# Allegro board ad-fmcmotcon1-ebz_layout.brd (continued)
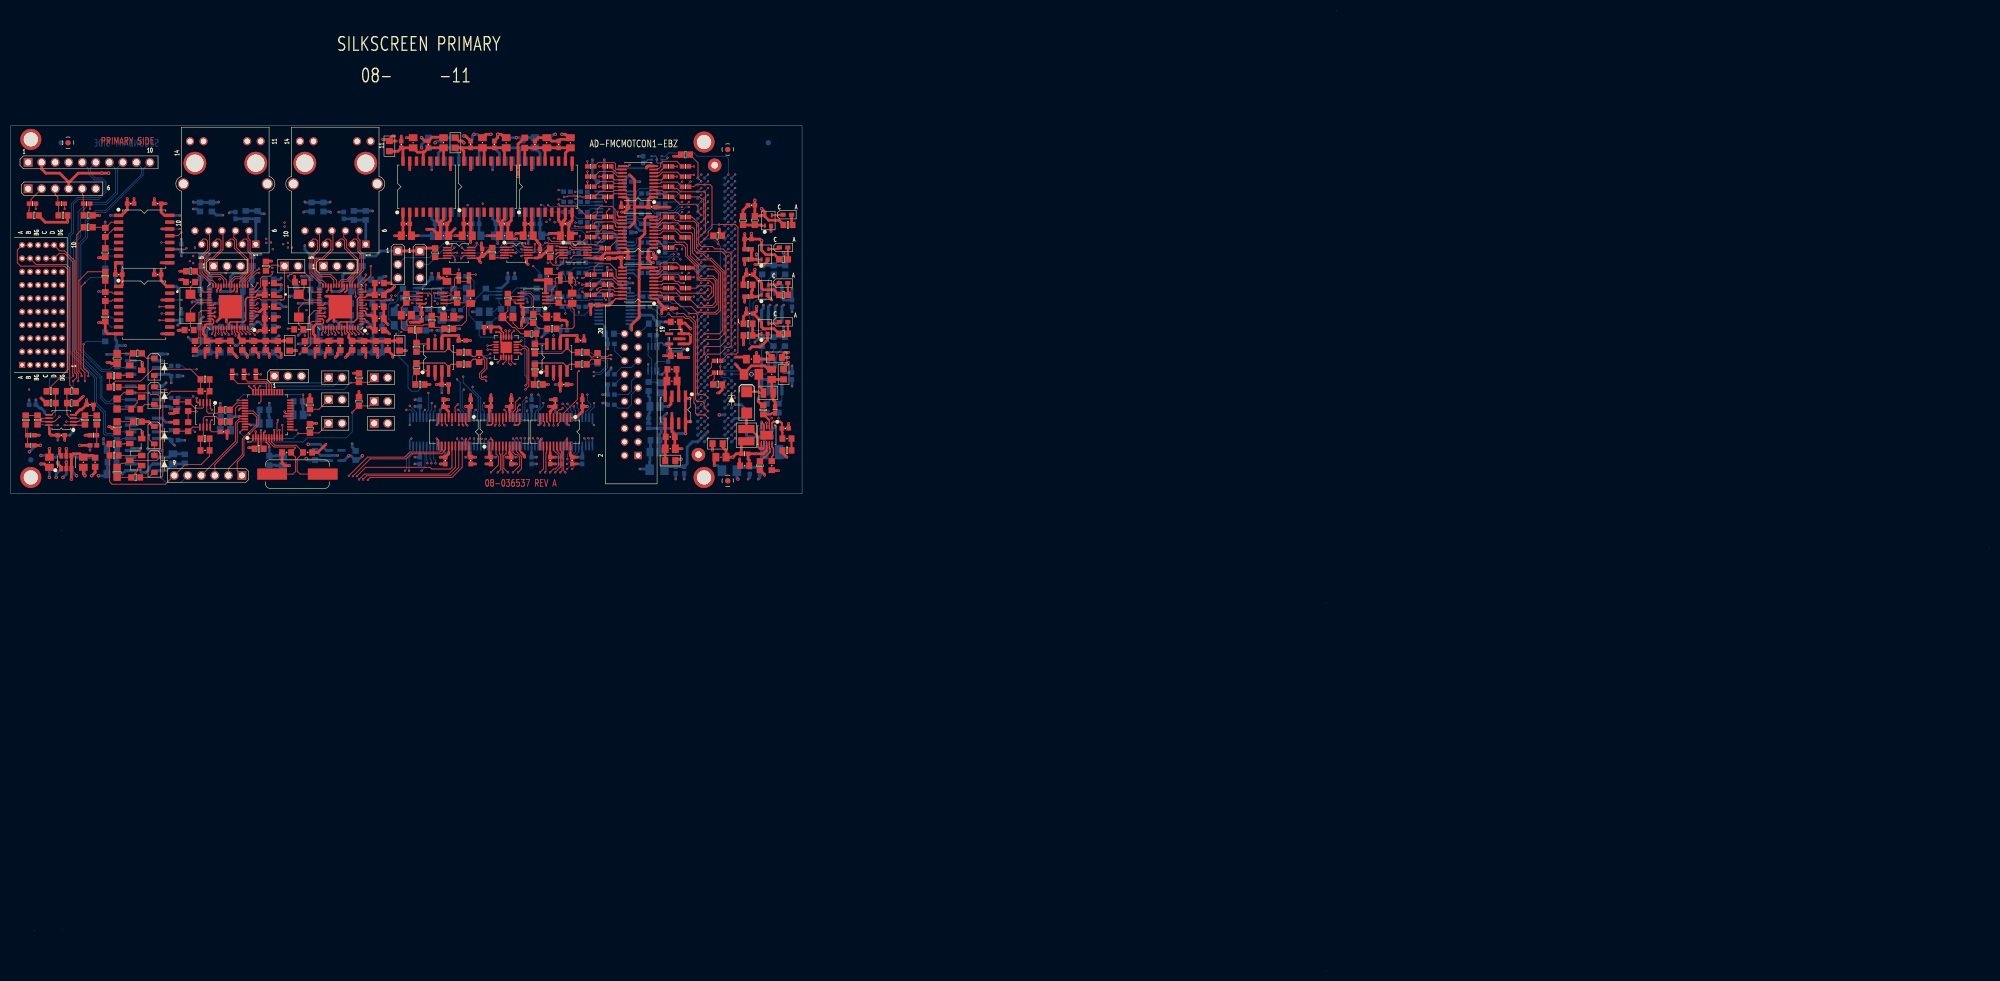
[diagram p0: board, top side]
## Routing (per net, layer and track width the routed paths; a pad name or vN(x,y) marks a point on that pad's centre or on a via; arc(x,y) is an arc through that point) (continued)
AGND_ISO: length 212.1
  TOP w0.254: U44.19 v1(104.43,99.89) ; U6.2 90.46,99.57 v1(90.14,99.89) ; U26.19 51.61,104.58 51.41,104.78 v1(51.41,104.97) ; A4.4 35.08,106.63 34.9,106.81 v1(34.9,107.51) ; U6.10 95.54,97.6 95.86,97.28 ; U5.19 85.38,99.76 v1(85.45,99.82) ; U26.5 47.48,100.98 v1(47.73,101.22) ; v1(42.84,105.31) 43.11,105.58 U26.40 ; U44.11 99.35,99.57 v1(99.67,99.89) ; U26.2 v1(45.98,101.22) ; v1(79.98,99.89) 80.3,99.57 U5.11 ; U26.9 v1(49.48,101.47)
  TOP w0.508: C238.2 v1(74.27,156.4) ; v2(90.14,157.04) 89.18,157.04 89.18,157.02 C215.2 ; U30.2 10.45,95.44 10.45,95.44 v2(10.45,95.44) ; C23.1 v1(10.13,99.57) ; U40.9 v1(82.52,150.37) ; v1(24.74,101.16) 24.74,100.04 Q4.3 ; U40.15 v1(74.9,150.37) ; U35.15 v1(97.76,150.37) ; C217.2 91.41,156.4 v2(91.41,157.04) 92.05,157.04 92.68,156.4 C219.2 ; v2(77.13,156.4) 77.76,155.77 C236.2 78.4,155.8 79.09,156.5 81.16,156.5 C235.2 ; R173.2 19.34,101.79 19.02,101.79 18.71,102.11 v1(18.39,102.11) ; U30.1 9.5,94.49 8.86,95.12 v2(8.86,95.44) ; C211.2 99.03,156.4 C214.2 100.94,156.4 101.57,155.77 C216.2 103.16,156.08 104.75,156.08 C218.2 104.75,156.4 104.11,157.04 v2(103.48,157.04) ; v2(85.06,156.72) 85.38,156.72 C212.2 ; R73.2 12.36,106.55 v1(13.63,107.82) ; v2(5.69,95.12) 6.32,95.12 6.96,94.49 C189.2 ; R164.2 30.65,104.62 v1(29.84,104.62) ; v1(52.36,94.81) 51.41,94.81 50.94,95.28 C70.2 ; C15.2 v1(80.62,95.12) ; U36.15 v1(86.33,150.37) ; v1(5.69,107.51) 6.64,106.55 R74.2 ; U9.8 18.2,119.57 17.75,120.02 R80.1 17.53,121.67 v1(16.48,121.67) ; C186.2 15.85,93.54 v2(15.21,92.9) ; U8.8 19.98,132.91 19.66,132.59 v1(19.66,131.64) C241.2 ; C116.2 v1(102.21,95.12) ; C270.2 v1(94.91,95.12) ; U35.9 v1(105.38,150.37) ; R165.2 v1(29.82,102.96) ; C18.2 v1(87.29,95.12) ; R232.1 v1(5.37,100.52) ; R231.1 v1(13.94,100.52) ; 95.86,97.28 96.37,96.77 96.37,96.52 v1(96.49,96.39) ; v1(18.07,114.17) 18.68,114.17 18.87,113.98 R169.2 ; C240.2 v1(23.15,144.97) ; C268.2 13.63,93.22 v2(13.94,92.9) ; C142.2 v1(106.34,95.12) ; C271.2 v1(89.19,95.12) ; v1(24.74,114.17) 24.74,112.86 Q2.3 ; U36.9 v1(93.95,150.37) ; R78.1 17.65,133.96 17.55,133.86 v1(16.48,133.86) ; C81.1 v1(40.61,99.89) ; v1(59.16,98.81) 57.63,97.28 C69.2 ; C234.2 v1(73.32,156.72) ; C22.2 v1(15.53,105.28)
  BOTTOM w0.254: U42.2 89.51,99.3 90.1,99.89 v1(90.14,99.89) ; U48.11 v1(109.19,99.95) ; U45.19 94.59,99.59 v1(94.3,99.89) ; v1(75.2,99.89) 74.9,99.59 74.9,98.49 ; 79.98,98.49 v1(79.98,99.89) ; U48.19 104.11,99.57 v1(104.43,99.89) ; v1(83.79,99.89) 83.79,99.8 84.43,99.16 U42.10 ; U45.11 v1(99.67,99.89)
  BOTTOM w0.508: v1(5.69,107.51) 6.64,106.55 R74.2 ; C265.2 97.13,156.4 96.49,155.77 C264.2 95.54,156.4 v2(94.91,156.4) C219.2 ; R73.2 13.21,107.51 13.31,107.51 v1(13.63,107.82) ; v1(56.17,104.33) C73.2 54.9,105.82 54.8,105.92 C71.2 ; C274.2 v1(102.21,95.12) ; U23.5 28.55,109.73 v1(29.18,110.36) ; C271.2 v1(89.19,95.12) ; R116.1 v1(17.75,140.59) ; v1(86.33,150.37) 86.65,150.69 U47.15 ; C42.2 v1(3.47,107.19) ; C262.2 81.57,156.4 C261.2 79.98,155.77 v2(79.67,155.45) ; U14.8 19.98,128.46 19.66,128.78 C241.2 v1(19.66,131.64) ; v2(5.69,96.71) 6.64,96.71 6.96,96.39 C190.2 8.48,96.39 8.73,96.64 U31.1 ; U37.3 26.64,95.12 26.01,94.49 26.01,94.17 v1(25.37,93.54) 24.54,93.54 24.42,93.65 24.42,94.72 24.02,95.12 U37.6 ; v1(5.37,100.52) R232.1 ; v1(29.84,104.62) 30.81,104.62 31.41,105.22 C66.1 ; U33.15 98.08,150.69 v1(97.76,150.37) ; v2(16.48,92.9) 17.75,92.9 C226.2 18.17,93.32 C227.2 ; C215.2 88.24,156.4 87.6,157.04 v2(86.97,157.04) 86.65,156.72 86.65,156.08 C212.2 ; C19.2 v1(98.72,95.12) ; C75.2 39.34,102.68 39.45,102.78 C76.2 39.45,105.02 39.34,105.12 v1(39.34,106.55) ; C78.2 49.78,94.91 49.89,94.81 C77.2 v1(52.36,94.81) ; U31.2 10.45,96.64 v2(10.45,95.44) ; U47.9 v1(79.03,150.37) ; C268.2 13.94,94.17 v2(13.94,92.9) ; 8.86,100.52 v1(8.86,99.57) ; v2(91.41,157.04) 91.41,156.4 C217.2 ; R114.1 17.64,127.41 17.54,127.51 v1(16.48,127.51) ; C254.2 64.74,97.66 64.11,98.3 v1(64.11,98.93) ; C67.1 v1(32.36,111.63) ; C65.1 v1(32.68,99.57) ; C15.2 v1(80.62,95.12) ; C244.2 v1(18.01,115.7) ; v1(48.55,106.55) 48.55,105.38 C72.2 48.45,104.05 48.55,103.95 C74.2 ; v1(29.82,102.96) 29.12,102.96 28.38,103.7 U22.5 ; v1(13.94,100.52) R231.1 ; U24.5 v1(29.5,115.76) ; C270.2 v1(94.91,95.12) ; C18.2 v1(87.29,95.12) ; U33.9 v1(90.46,150.37) ; v1(61.38,96.71) U46.2 58.19,96.71 57.34,97.56 C253.2 ; v1(106.34,95.12) C275.2 ; v2(15.21,92.9) 15.85,93.54 C186.2 ; U15.8 v1(18.71,141.8) ; C161.2 v1(75.86,95.12)
  vias: v1(3.47,109.09)
VBUS: length 31.7
  TOP w0.152: v1(11.72,110.68) 12.36,111.32 12.36,111.95 12.04,112.27 12.04,133.22 10.13,135.13 9.24,135.13 P2.D10 P2.C10
  BOTTOM w0.152: R108.1 11.72,109.31 v1(11.72,110.68)
VBUS_BIPOLAR: length 36.4
  TOP w0.152: v1(13.94,110.68) 13.94,112.27 13.18,113.03 13.18,128.4 v1(13.94,129.16)
  L4_SIGV w0.152: v1(10.46,103.05) 10.13,103.38 10.13,106.87 v1(13.94,110.68)
  BOTTOM w0.152: R115.1 14.94,130.15 v1(13.94,129.16) ; v1(10.46,103.05) A3.7 13.42,103.05 R112.2
VBUS_CLK: length 89.5
  TOP w0.152: R28.1 v1(108.24,148.15)
  L5_SIGH w0.152: v1(28.3,136.72) 29.06,137.48 29.06,140.34 31.15,142.43 38.07,142.43 39.54,143.89 60.3,143.89 60.93,144.53 102.21,144.53 102.4,144.33 103.92,144.33 105.26,145.67 105.26,146.56 105.77,147.07 107.16,147.07 v1(108.24,148.15)
  BOTTOM w0.152: U15.13 v1(28.3,136.72)
VBUS_DAT: length 104.4
  TOP w0.152: R30.1 v1(108.24,151.96)
  L4_SIGV w0.152: v1(85.78,143.71) 85.78,143.31 85.7,143.23 85.7,133.22 v1(84.11,131.64)
  L5_SIGH w0.152: v1(108.24,151.96) 109.07,151.13 109.07,146.47 107,144.4 104.93,144.4 103.4,142.88 98.02,142.88 97.38,143.51 86.39,143.51 86.18,143.71 v1(85.78,143.71) 61.19,143.71 60.65,143.18 39.84,143.18 38.46,141.8 33.06,141.8 32.01,140.75 32.01,139.54 v1(31.72,139.26)
  BOTTOM w0.152: R118.1 v1(84.11,131.64) ; U15.11 v1(31.72,139.26)
A0: length 21.7
  TOP w0.152: U26.37 v1(42.61,107.08) ; v1(54.9,108.14) 54.9,106.6 56.12,105.38 R151.2 57.86,105.38 P3.1
  BOTTOM w0.152: v1(42.61,107.08) 43.67,108.14 v1(54.9,108.14)
A1: length 26.2
  TOP w0.152: U26.36 45.48,109.03 45.18,109.33 45.14,109.33 v1(44.74,109.73) ; P5.1 67.39,110.46 R153.2 65.28,110.36 v1(63.79,110.36)
  BOTTOM w0.152: v1(63.79,110.36) 62.52,109.09 45.38,109.09 v1(44.74,109.73)
BEMF_A: length 49.3
  TOP w0.152: v1(102.34,135.25) 102.39,135.31 U20.2
  L4_SIGV w0.152: v1(102.34,135.25) 101.8,135.25 99.54,132.99 99.54,132.33 89.51,122.3 89.51,118.24 88.62,117.35 88.62,108.52 87.16,107.06 84.05,107.06 83.29,106.3 83.29,105.41 82.21,104.33 78.71,104.33 v1(77.76,105.28)
  BOTTOM w0.152: 77.44,103.82 77.44,104.97 v1(77.76,105.28)
BEMF_A_ISO: length 101.9
  L4_SIGV w0.152: P2.A4 3.48,119.89 16.17,119.89 20.68,115.38 20.68,98.23 23.53,95.38 52.81,95.38 53.7,94.49 68.87,94.49 70.14,93.22 76.49,93.22 v1(77.13,93.85)
  BOTTOM w0.152: v1(77.13,93.85) 77.76,94.49 77.76,97.03 77.44,97.35 77.44,98.49
BEMF_B: length 46.5
  TOP w0.152: U25.2 93.69,135.31 93.7,135.29 v1(94.23,135.29)
  L4_SIGV w0.152: v1(74.9,106.05) 75.41,106.55 78.08,106.55 79.35,107.82 82.52,107.82 85.38,110.68 85.38,123.38 90.78,128.78 90.78,134.18 92.05,135.45 93.68,135.45 93.83,135.29 v1(94.23,135.29)
  BOTTOM w0.152: v1(74.9,106.05) 76.17,104.78 U41.13
BEMF_B_ISO: length 97.1
  L4_SIGV w0.152: P2.D5 9.12,122.75 19.09,122.75 19.66,122.17 19.66,117.26 21.44,115.48 21.44,98.74 24.04,96.14 53.19,96.14 54.2,95.12 69.44,95.12 70.21,94.36 74.27,94.36 v1(74.78,93.85)
  BOTTOM w0.152: v1(74.78,93.85) 74.78,96.27 75.54,97.03 75.86,97.03 76.17,97.35 U41.8
BEMF_C: length 43.8
  TOP w0.152: v1(83.29,135.76) 82.77,135.25 U21.2
  L4_SIGV w0.152: v1(83.29,135.76) 82.65,135.13 81.57,135.13 80.94,134.49 80.94,130.05 82.84,128.14 82.84,110.05 82.21,109.41 76.49,109.41 74.27,107.19 v1(74.27,105.28)
  BOTTOM w0.152: v1(74.27,105.28) 75.12,105.28 75.54,104.86 U41.12
BEMF_C_ISO: length 96.9
  L4_SIGV w0.152: P2.B4 4.66,120.21 16.28,120.21 21.06,115.43 21.06,98.49 23.79,95.76 52.93,95.76 53.89,94.81 69.25,94.81 70.21,93.85 v1(74.02,93.85)
  BOTTOM w0.152: v1(74.02,93.85) 74.3,94.14 74.3,96.43 75.54,97.66 U41.9
CHANNEL_A_BUF: length 42.4
  TOP w0.152: v1(105.13,133.81) 105.63,134.31 U20.7
  L4_SIGV w0.152: v1(87.29,105.28) 87.29,105.92 89.35,107.98 89.35,109.57 90.14,110.36 90.14,113.86 97.45,121.16 97.45,125.92 100.69,129.16 100.69,132.08 102.34,133.73 104.52,133.73 104.6,133.81 v1(105.13,133.81)
  BOTTOM w0.152: U42.15 86.97,104.97 v1(87.29,105.28)
CHANNEL_A_BUF_ISO: length 53.6
  TOP w0.152: R155.2 46.65,111.95 v1(46.96,111.95)
  L5_SIGH w0.152: v1(86.97,99.89) 85.7,98.62 74.27,98.62 72.3,100.58 56.36,100.58 55.35,101.6 55.35,109.98 54.97,110.36 48.55,110.36 v1(46.96,111.95)
  BOTTOM w0.152: U42.6 v1(86.97,99.89)
CHANNEL_B_BUF: length 39.1
  TOP w0.152: v1(95.86,134.18) 95.99,134.31 U25.7
  L4_SIGV w0.152: v1(95.86,134.18) 94.59,134.18 93.95,134.81 93.32,134.81 91.73,133.22 91.73,128.14 85.7,122.11 85.7,110.36 85.06,109.73 v1(85.06,109.09)
  BOTTOM w0.152: v1(85.06,109.09) 84.75,108.78 84.75,105.82 85.7,104.86 U42.13
CHANNEL_B_BUF_ISO: length 56.8
  TOP w0.152: R156.2 44.42,111.95 v1(44.74,111.95)
  L5_SIGH w0.152: v1(86.21,99.9) 85.24,98.93 74.59,98.93 72.56,100.97 58.14,100.97 57,102.11 57,112.27 56.36,112.9 45.69,112.9 v1(44.74,111.95)
  BOTTOM w0.152: v1(86.21,99.9) 85.92,99.61 85.92,99.53 85.7,99.31 U42.8
CHANNEL_INDEX_BUF: length 36.2
  TOP w0.152: U21.7 85.07,134.25 v1(84.56,133.73)
  L4_SIGV w0.152: v1(84.56,133.73) 84.11,134.18 82.52,134.18 81.89,133.54 81.89,130.37 83.48,128.78 83.48,118.94 83.79,118.62 v1(83.79,111)
  BOTTOM w0.152: U42.12 85.06,104.86 84.38,105.55 84.38,110.41 v1(83.79,111)
CHANNEL_INDEX_BUF_ISO: length 57.4
  TOP w0.152: v1(42.52,111.95) 42.2,111.95 R157.2
  L5_SIGH w0.152: v1(84.68,99.9) 84.04,99.25 74.9,99.25 72.81,101.35 59.41,101.35 58.27,102.49 58.27,112.14 57.12,113.28 43.85,113.28 v1(42.52,111.95)
  BOTTOM w0.152: U42.9 85.06,99.62 84.68,100 v1(84.68,99.9)
COS: length 13.1
  TOP w0.152: 38.33,92.96 38.33,95 42.52,99.19 42.52,102.74 42.86,103.08 U26.45
COS_LO: length 14.6
  TOP w0.152: 35.79,92.96 42.19,99.36 42.19,102.88 42.89,103.58 U26.44
DOS: length 15.9
  TOP w0.152: v1(45.69,109.73) 45.98,109.44 U26.35
  BOTTOM w0.152: v1(45.69,109.73) 46.29,110.33 58.68,110.33 P17.1
EN_VT: length 55.3
  TOP w0.508: v1(116.56,120.27) 116.56,121.28 117.96,122.68 v1(117.96,129.79) 117.96,131.7 118.27,132.01 118.27,132.02 ; U2.10 119.42,141.55 119.04,141.16 v1(119.04,138.94) 119.04,138.37 118.08,137.41 118.08,132.21 118.27,132.02 ; 118.27,132.02 U4.10 ; v1(119.35,150.69) 119.35,150.88 119.55,151.07 U1.10
  BOTTOM w0.254: U7.10 113.42,140.46 113.13,140.74 113.13,149.86 113.96,150.69 v1(119.35,150.69) ; U49.10 116.25,121.03 ; v1(117.96,129.79) 117.96,129.89 116.91,130.93 U3.10
  BOTTOM w0.305: 119.74,151.07 119.74,151.1 120.26,151.62 A1.4
  BOTTOM w0.508: 116.25,121.03 116.25,120.58 v1(116.56,120.27) ; U7.10 116.91,140.46 117.28,140.1 117.28,139.75 118.08,138.94 v1(119.04,138.94) ; v1(119.35,150.69) 119.74,151.07
EXC: length 52.1
  TOP w0.152: R175.1 18.55,109.59 ; 18.55,109.59 R174.2 ; 18.55,109.59 19.33,110.36 19.34,110.36 19.66,110.68 24.42,110.68 26.64,112.9 33.78,112.9 35.64,111.05 R160.2 C79.2 30.14,108.78 28.55,107.19 28.55,92.9 v1(28.23,92.58)
  BOTTOM w0.152: 33.25,92.96 31.92,91.63 29.18,91.63 v1(28.23,92.58)
EXC_LO: length 31.5
  TOP w0.152: R161.2 C80.2 37.34,96.61 35.73,95 32.74,95 29.06,91.31 19.02,91.31 18.55,91.78 R176.2 R177.1
FMC_3V3: length 197.5
  TOP w0.254: 96.81,133.54 97.08,133.81 U25.6 98.4,133.81 ; U4.20 113.57,126.17 113,125.6 ; U6.14 93.64,104.97 ; 87.62,133.75 U21.6 ; 109.46,133.81 U20.6
  TOP w0.305: 106.15,103.82 U44.1 ; U5.1 86.02,104.97 ; 115.86,135.33 115.5,135.7 U2.20 ; 82.21,104.97 U5.7 ; 101.26,104.65 U44.7 ; U6.20 89.83,104.97
  TOP w0.508: v1(100.94,105.92) C103.1 101.26,104.97 101.26,104.65 ; R217.1 143.27,120.52 141.26,120.52 140.94,120.84 140.94,121.49 A9.4 140.93,121.72 140.46,122.18 140.46,122.31 139.4,123.38 ; A5.4 140.81,141.82 140.68,141.69 R202.1 C188.1 v2(139.67,144.65) ; A5.4 141.56,141.61 142.27,140.9 144.21,140.9 145.05,140.07 R208.1 ; A5.4 141.56,142.45 v2(140.94,143.07) ; 96.81,133.54 96.81,132.91 v1(97.13,132.59) ; v2(139.99,124.65) 139.99,123.79 139.59,123.38 139.4,123.38 ; P20.1 P9.1 77.34,135.66 R145.2 ; L1.1 137.58,99.38 137.13,98.93 R222.1 136.18,97.03 v2(135.55,96.39) C204.1 134.28,97.66 133.64,98.3 E9.1 ; 88,133.75 88,133.21 v1(88.24,132.97) ; 88,133.75 87.62,133.75 ; 88,133.75 C64.2 88.75,134.24 90.23,135.72 R149.2 ; v1(82.21,105.92) C14.1 82.21,104.97 ; 113,125.6 112.37,124.97 v1(112.05,124.97) C8.1 ; v1(89.19,105.92) C17.1 89.83,105.6 89.83,104.97 ; C6.1 115.86,134.81 ; 115.86,134.81 v1(114.59,134.81) 114.01,134.81 113.94,134.75 111.61,134.75 110.97,134.11 110.97,133.73 109.91,133.73 109.83,133.81 109.46,133.81 ; 115.86,134.81 115.86,135.33 ; 140.93,137.05 140.63,137.35 C192.1 v2(139.04,138.4) ; 140.93,137.05 v2(140.94,137.03) ; 140.93,137.05 A7.4 140.93,135.26 141.76,134.42 143.39,134.42 144.22,133.59 R211.1 ; v1(85.38,105.92) C11.1 86.02,105.6 86.02,104.97 ; 139.4,123.38 C198.1 ; v2(139.67,131.64) 139.67,131 C197.1 140.31,129.73 ; 106.15,103.82 107.29,104.97 C109.1 v1(108.24,105.92) ; v1(93,105.92) C13.1 93.64,105.6 93.64,104.97 ; 98.4,133.81 98.99,133.81 C68.2 99.67,134.18 101.16,135.66 R144.2 ; 140.31,129.73 140.93,129.11 A8.4 140.94,128.79 140.94,128.14 141.26,127.83 143.27,127.83 R214.1 ; 140.31,129.73 v2(140.31,129.67) ; v1(114.66,142.43) 115.23,142.43 115.86,143.07 C5.1 115.86,144.86 115.5,145.22 U1.20
  L5_SIGH w0.508: v1(36.17,122.75) 38.07,120.84 47.6,120.84 48.43,120.02 50.97,120.02 51.73,119.25 v1(53.95,119.25)
  BOTTOM w0.152: P1.D38 v1(134.71,102.49) ; P1.D40 v1(134.71,99.95) ; P1.C39 v1(135.98,101.22)
  BOTTOM w0.254: 112.12,127.26 U49.20 ; 102.53,104.65 103.16,104.65 103.48,104.33 U48.1 ; U7.20 111.05,146.31 111.42,146.67 ; 111.42,137.15 111.05,136.78 U3.20
  BOTTOM w0.305: 93.95,104.97 U45.1 ; 90.14,104.97 U42.20 ; U41.14 C154.1 ; 86.33,104.97 U42.14 ; 97.76,104.97 U45.7 ; 80.62,104.97 U41.20 ; 107.29,104.65 U48.7
  BOTTOM w0.508: P1.D36 134.01,104.33 v2(133.01,104.33) ; C154.1 v1(75.86,105.92) ; v1(100.94,105.92) C103.1 102.21,104.97 102.53,104.65 ; E3.1 45.69,134.49 v1(46.96,134.49) ; v1(82.21,105.92) C14.1 80.62,105.28 80.62,104.97 ; 97.76,104.97 C9.1 v1(98.77,105.92) ; 111.42,137.15 111.42,137.15 C7.1 112.94,138.62 113.77,137.8 113.77,135.64 v1(114.59,134.81) ; 112.37,127.19 112.3,127.26 112.12,127.26 ; 112.37,127.19 C277.1 ; 112.37,127.19 112.37,125.29 v1(112.05,124.97) ; v1(85.38,105.92) C11.1 86.33,104.97 ; 90.14,104.97 C17.1 v1(89.19,105.92) ; v2(136.5,92.27) 136.31,92.46 C89.1 136.94,94.49 C90.1 C92.1 ; v1(53.95,119.25) 54.61,119.92 55.31,119.92 56.17,120.78 E5.1 ; E2.1 35.53,122.11 v1(36.17,122.75) ; P20.1 69.51,135.13 68.55,134.18 E6.1 ; 107.29,104.65 C109.1 v1(108.24,105.92) ; v1(111.42,152.27) C16.1 111.42,146.67 111.42,146.67 ; 93.95,104.97 C13.1 v1(93,105.92)
  vias: v1(128.24,122.75)
FMC_3V3_A: length 5.1
  TOP w0.508: E9.2 v1(131.74,97.66)
  BOTTOM w0.305: A6.8 121.6,117.69 121.77,117.86 122.29,117.86 122.61,117.54
  BOTTOM w0.508: 122.61,117.54 C191.2 123.55,117.67 v1(123.55,118.75)
FMC_12V0: length 39.7
  TOP w0.508: v1(137.55,117.47) v1(137.55,118.2) R215.1
  L4_SIGV w0.508: v1(135.98,106.3) 135.21,105.54 133.71,105.54 133.32,105.92 133.32,111.12 133.96,111.76 136.54,111.76 137.55,112.78 v1(137.55,117.47) v1(137.55,118.2)
  BOTTOM w0.152: P1.C35 v1(135.98,106.3)
  BOTTOM w0.508: 138.09,103.7 135.91,103.7 P1.C37 ; 138.09,103.7 138.09,100.52 138.4,100.2 C87.1 ; 138.09,103.7 138.09,105.28 137.13,106.24 136.04,106.24 v1(135.98,106.3) ; 141.45,97.35 141.45,99.69 C87.1 ; C87.1 C88.1
FMC_GA0: length 14
  L4_SIGV w0.152: v1(142.85,103.7) 142.85,107.82 142.21,108.46 137.45,108.46 136.56,107.57 v1(135.98,107.57)
  BOTTOM w0.152: P1.C34 v1(135.98,107.57) ; v1(142.85,103.7) 141.9,104.65 R195.1
FMC_GA1: length 17
  L4_SIGV w0.152: v1(144.12,103.7) 143.23,104.58 143.23,107.95 142.21,108.97 137.39,108.97 136.5,108.08 135.86,108.08 135.1,107.31 135.1,106.7 v1(134.71,106.3)
  BOTTOM w0.152: P1.D35 v1(134.71,106.3) ; R193.1 v1(144.12,103.7)
FMC_GPI1: length 31.4
  TOP w0.152: R6.1 124.43,139.26 125.07,139.26 125.7,138.62 127.67,138.62 127.99,138.3 127.99,134.74 129.29,133.44 131.33,133.44 133.58,131.19 133.58,120.14 133.01,119.57 130.2,119.57 v1(129.63,119)
  BOTTOM w0.152: P1.H25 v1(129.63,119)
FMC_GPI2: length 30.1
  TOP w0.152: R20.1 127.97,139.57 128.37,139.17 128.37,135.22 128.88,134.71 129.82,134.71 130.1,134.43 130.1,134.43 130.75,133.77 131.51,133.77 133.91,131.37 133.91,119.52 132.92,118.53 130.43,118.53 v1(129.63,117.73)
  BOTTOM w0.152: P1.H26 v1(129.63,117.73)
FMC_GPI3: length 28.3
  TOP w0.152: v1(127.29,123.38) 128.56,123.38 128.88,123.06 128.88,108.46 129.2,108.14 130.32,108.14 v1(130.9,107.57)
  BOTTOM w0.152: R239.1 120.05,126.56 120.5,126.11 121.01,126.11 121.51,125.6 123.8,125.6 124.12,125.29 125.39,125.29 v1(127.29,123.38) ; P1.G34 v1(130.9,107.57)
FMC_GPI4: length 25.8
  TOP w0.152: v1(125.07,123.38) 126.34,123.38 126.97,122.75 127.61,122.75 128.56,121.79 128.56,107.19 128.88,106.87 129.83,106.87 130.15,106.55 130.15,105.77 v1(130.9,105.03)
  BOTTOM w0.152: R64.1 123.2,124.65 124.47,123.38 v1(125.07,123.38) ; P1.G36 v1(130.9,105.03)
FMC_GPI5: length 30.7
  TOP w0.152: v1(130.9,103.76) 130.32,104.33 128.88,104.33 128.56,104.65 128.56,106.24 128.24,106.55 128.24,121.48 127.29,122.43 126.66,122.43 126.34,122.75 124.12,122.75 v1(123.48,123.38)
  BOTTOM w0.152: v1(123.48,123.38) 122.85,122.75 122.21,122.75 120.87,124.09 120.59,124.09 120.03,124.65 R240.1 ; P1.G37 v1(130.9,103.76)
FMC_GPO1: length 39.4
  TOP w0.152: v1(129.63,115.19) 130.15,115.71 130.15,116.97 130.37,117.19 133.17,117.19 134.24,118.26 134.24,134.22 133.41,135.04 129.29,135.04 128.75,135.58 128.75,140.21 128.24,140.72 125.45,140.72 125.32,140.84 124.79,140.84 124.16,141.48 R7.1
  BOTTOM w0.152: P1.H28 v1(129.63,115.19)
FMC_GPO2: length 38.5
  TOP w0.152: R21.1 127.95,141.48 128.3,141.14 128.3,141.14 129.13,140.3 129.13,136.5 129.65,135.98 131.72,135.98 132.19,135.51 133.71,135.51 134.34,134.87 134.85,134.87 135.23,134.49 135.23,117.35 134.91,117.03 134.4,117.03 133.13,115.76 130.85,115.76 130.4,115.32 130.4,114.7 v1(129.63,113.92)
  BOTTOM w0.152: P1.H29 v1(129.63,113.92)
FMC_GPO3: length 30.6
  L4_SIGV w0.152: v1(135.98,132.97) 136.88,133.87 136.88,146.71 136.18,147.41 126.76,147.41 v1(126.02,148.15)
  BOTTOM w0.152: R223.1 123.16,146.24 124.12,146.24 v1(126.02,148.15) ; P1.C14 v1(135.98,132.97)
FMC_GPO4: length 37.9
  L4_SIGV w0.152: v1(135.98,131.7) 138.28,134 138.28,146.81 137.35,147.74 128.02,147.74 v1(127.61,148.15)
  BOTTOM w0.152: P1.C15 v1(135.98,131.7) ; R225.1 119.71,145.92 120.28,145.35 120.81,145.35 121.2,144.97 124.43,144.97 v1(127.61,148.15)
FMC_GPO5: length 37.7
  L4_SIGV w0.152: v1(126.02,144.34) 126.63,144.34 128.43,146.14 134.98,146.14 135.23,145.88 135.23,123.55 v1(135.98,122.81)
  BOTTOM w0.152: R224.1 123.16,144.34 v1(126.02,144.34) ; P1.C22 v1(135.98,122.81)
FMC_GPO6: length 42
  L4_SIGV w0.152: v1(135.98,121.54) 135.28,120.84 134.59,120.84 133.96,121.48 133.96,143.38 132.14,145.2 128.16,145.2 v1(127.29,144.34)
  BOTTOM w0.152: v1(127.29,144.34) 126.82,143.86 125.55,143.86 124.43,142.75 123.55,142.75 123.42,142.88 120.85,142.88 119.71,144.02 R237.1 ; P1.C23 v1(135.98,121.54)
FMC_GPO7: length 40
  L4_SIGV w0.152: v1(126.02,143.38) 126.63,143.38 127.1,143.85 128.41,143.85 129.43,144.87 131.09,144.87 132.37,143.59 132.37,120.52 134.59,118.3 135.4,118.3 v1(135.98,117.73)
  BOTTOM w0.152: v1(126.02,143.38) 125.63,143.38 124.36,142.11 R51.1 ; P1.C26 v1(135.98,117.73)
FMC_GPO8: length 44.2
  L4_SIGV w0.152: v1(135.98,116.46) 135.18,117.26 134.05,117.26 132.05,119.25 132.05,143.22 131.34,143.93 129.29,143.93 128.75,143.38 v1(127.29,143.38)
  BOTTOM w0.152: P1.C27 v1(135.98,116.46) ; v1(127.29,143.38) 126.69,143.38 126.22,142.91 125.84,142.91 125.55,142.63 125.55,142.6 124.14,141.19 121.17,141.19 120.75,141.6 120.24,141.6 119.74,142.11 R68.1
FMC_GPO9: length 16.7
  L4_SIGV w0.152: v1(130.9,134.24) 130.15,134.98 130.15,140.84 129.83,141.16 127.29,141.16 v1(126.02,142.43)
  BOTTOM w0.152: P1.G13 v1(130.9,134.24) ; R39.1 123.8,140.21 v1(126.02,142.43)
FMC_GPO10: length 38.3
  L4_SIGV w0.152: v1(129.63,121.54) 130.2,122.11 131.1,122.11 131.74,122.75 131.74,142.95 131.09,143.6 129.43,143.6 128.59,142.76 127.62,142.76 v1(127.29,142.43)
  BOTTOM w0.152: R238.1 119.71,140.21 120.62,139.29 124.16,139.29 v1(127.29,142.43) ; P1.H23 v1(129.63,121.54)
FMC_GPO11: length 25.4
  L4_SIGV w0.152: v1(130.9,143.13) 131.42,142.6 131.42,127.51 131.1,127.19 128.88,127.19 v1(128.24,126.56)
  BOTTOM w0.152: P1.G6 v1(130.9,143.13) ; v1(128.24,126.56) R52.1
FMC_IA_CLK: length 8.5
  TOP w0.152: v1(129.63,141.86) 129.01,142.48 129.01,143.51 128.63,143.89 125.58,143.89 124.78,144.69 124.75,144.69 124.16,145.29 R1.1
  BOTTOM w0.152: P1.H7 v1(129.63,141.86)
FMC_IA_DAT: length 18.6
  TOP w0.152: R3.1 v1(125.07,149.1)
  L4_SIGV w0.152: v1(129.63,134.24) 128.92,134.95 128.92,136.99 125.07,140.84 v1(125.07,149.1)
  BOTTOM w0.203: P1.H13 v1(129.63,134.24)
FMC_IB_CLK: length 8.3
  TOP w0.152: v1(129.63,140.59) 130.1,141.06 130.1,144.71 129.9,144.91 129.64,144.91 129.26,145.29 R14.1
  BOTTOM w0.152: P1.H8 v1(129.63,140.59)
FMC_IB_DAT: length 25.9
  TOP w0.152: R16.1 127.61,149.42 v1(128.24,149.42)
  L4_SIGV w0.152: v1(129.63,132.97) 128.59,134.01 128.59,136.52 123.16,141.95 123.16,148.46 124.43,149.73 127.93,149.73 v1(128.24,149.42)
  BOTTOM w0.203: P1.H14 v1(129.63,132.97)
FMC_IT_CLK: length 16
  TOP w0.152: R2.1 124.16,147.19 124.47,146.88 125.07,146.88 125.7,146.24 130.21,146.24 130.4,146.05 130.4,138.83 v1(129.63,138.05)
  BOTTOM w0.152: P1.H10 v1(129.63,138.05)
FMC_IT_DAT: length 26.9
  TOP w0.152: R4.1 v1(125.07,151)
  L4_SIGV w0.152: v1(125.07,151) 123.8,151 122.85,150.05 122.85,141.54 128.26,136.13 128.26,133.87 129.16,132.97 129.16,130.9 v1(129.63,130.43)
  BOTTOM w0.203: P1.H16 v1(129.63,130.43)
FMC_M_FAULT: length 25.9
  L5_SIGH w0.152: v1(135.98,136.78) 136.63,136.13 136.63,131.19 136.37,130.94 133.2,130.94 131.55,132.59 130.47,132.59 129.71,131.83 128.75,131.83 127.93,131 v1(127.29,131)
  BOTTOM w0.152: R25.1 119.71,131 120.5,130.21 126.51,130.21 v1(127.29,131) ; P1.C11 v1(135.98,136.78)
FMC_POWER_ON_RESET_N: length 20
  TOP w0.152: R53.1 124.16,126.24 125.74,124.65 127.79,124.65 128.83,123.61 132.28,123.61 132.91,124.24 132.91,130.81 132.03,131.7 v1(130.9,131.7)
  BOTTOM w0.203: P1.G15 v1(130.9,131.7)
FMC_PWM_AH: length 33.6
  L4_SIGV w0.152: v1(129.63,111.38) 128.24,112.76 128.24,121.48 126.66,123.06 126.66,126.56 125.7,127.51 125.7,129.54 126.21,130.05 127.36,130.05 127.9,130.59 127.9,131.35 127.43,131.81 127.43,134.99 126.97,135.45 v1(126.02,135.45)
  BOTTOM w0.152: v1(126.02,135.45) 126.02,136.08 125.39,136.72 R8.1 ; P1.H31 v1(129.63,111.38)
FMC_PWM_AL: length 36.2
  L4_SIGV w0.152: v1(129.63,110.11) 126.66,113.08 126.66,115.44 126.97,115.76 126.97,118.62 126.34,119.25 126.34,126.24 125.39,127.19 125.39,129.73 126.72,131.06 126.72,131.57 127.1,131.96 127.1,134.2 126.47,134.83 125.72,134.83 125.58,134.96 125.55,134.96 v1(125.07,135.45)
  BOTTOM w0.152: R22.1 119.71,136.72 120.42,136 124.51,136 v1(125.07,135.45) ; P1.H32 v1(129.63,110.11)
FMC_PWM_BH: length 34.9
  L4_SIGV w0.152: v1(129.63,107.57) 125.7,111.49 125.7,119.57 125.07,120.21 125.07,122.56 125.7,123.19 125.7,126.24 125.07,126.87 125.07,130.71 126.77,132.42 126.77,134.06 126.34,134.49 v1(125.39,134.49)
  BOTTOM w0.152: v1(125.39,134.49) 124.88,135 123.04,135 R9.1 ; P1.H34 v1(129.63,107.57)
FMC_PWM_BL: length 38.8
  L4_SIGV w0.152: v1(129.63,106.3) 125.39,110.54 125.39,119.25 124.43,120.21 124.43,130.65 126.44,132.66 126.44,133.44 125.87,134.01 124.92,134.01 v1(124.43,134.49)
  BOTTOM w0.152: P1.H35 v1(129.63,106.3) ; v1(124.43,134.49) 123.97,134.49 123.46,133.99 121.13,133.99 120.87,134.25 120.27,134.25 119.71,134.81 R23.1
FMC_PWM_CH: length 38.5
  L4_SIGV w0.152: v1(125.7,133.54) 123.96,131.79 123.96,119.73 124.12,119.57 124.12,107.19 125.74,105.57 127.82,105.57 v1(129.63,103.76)
  BOTTOM w0.152: v1(125.7,133.54) 125.22,134.02 123.96,134.02 R10.1 ; P1.H37 v1(129.63,103.76)
FMC_PWM_CL: length 46.1
  L4_SIGV w0.152: v1(124.43,133.54) 122.91,132.02 122.91,122.68 123.59,122.01 123.59,120.63 123.03,120.07 123.03,117.21 121.58,115.76 121.58,105.28 123.16,103.7 128.42,103.7 v1(129.63,102.49)
  BOTTOM w0.152: v1(124.43,133.54) 124.43,132.97 123.66,132.19 120.38,132.19 R24.1 ; P1.H38 v1(129.63,102.49)
FMC_PWM_EN: length 25
  L5_SIGH w0.152: v1(135.98,138.05) 135.98,137.43 137.01,136.4 137.01,130.81 136.12,129.92 133.71,129.92 131.42,132.21 130.53,132.21 129.77,131.44 128.88,131.44 127.99,130.56 126.47,130.56 v1(126.02,131)
  BOTTOM w0.152: P1.C10 v1(135.98,138.05) ; R11.1 v1(126.02,131)
FMC_SAMPLE_N: length 13.7
  TOP w0.152: R57.1 127.33,126.24 129.02,124.55 132.02,124.55 132.58,125.12 132.58,129.67 131.82,130.43 v1(130.9,130.43)
  BOTTOM w0.203: P1.G16 v1(130.9,130.43)